# Altium PCB PCB 2 layer 10 x 10.PcbDoc (part 2 of 3)
Units mil, origin at the board's own origin, x right, y up, seen from the top; angles counter-clockwise.
Board outline 3937.01 x 3937.01 mil, 2 copper layers (Top Layer, Bottom Layer); 219 components, 191 nets, 758 pads, 513 vias.
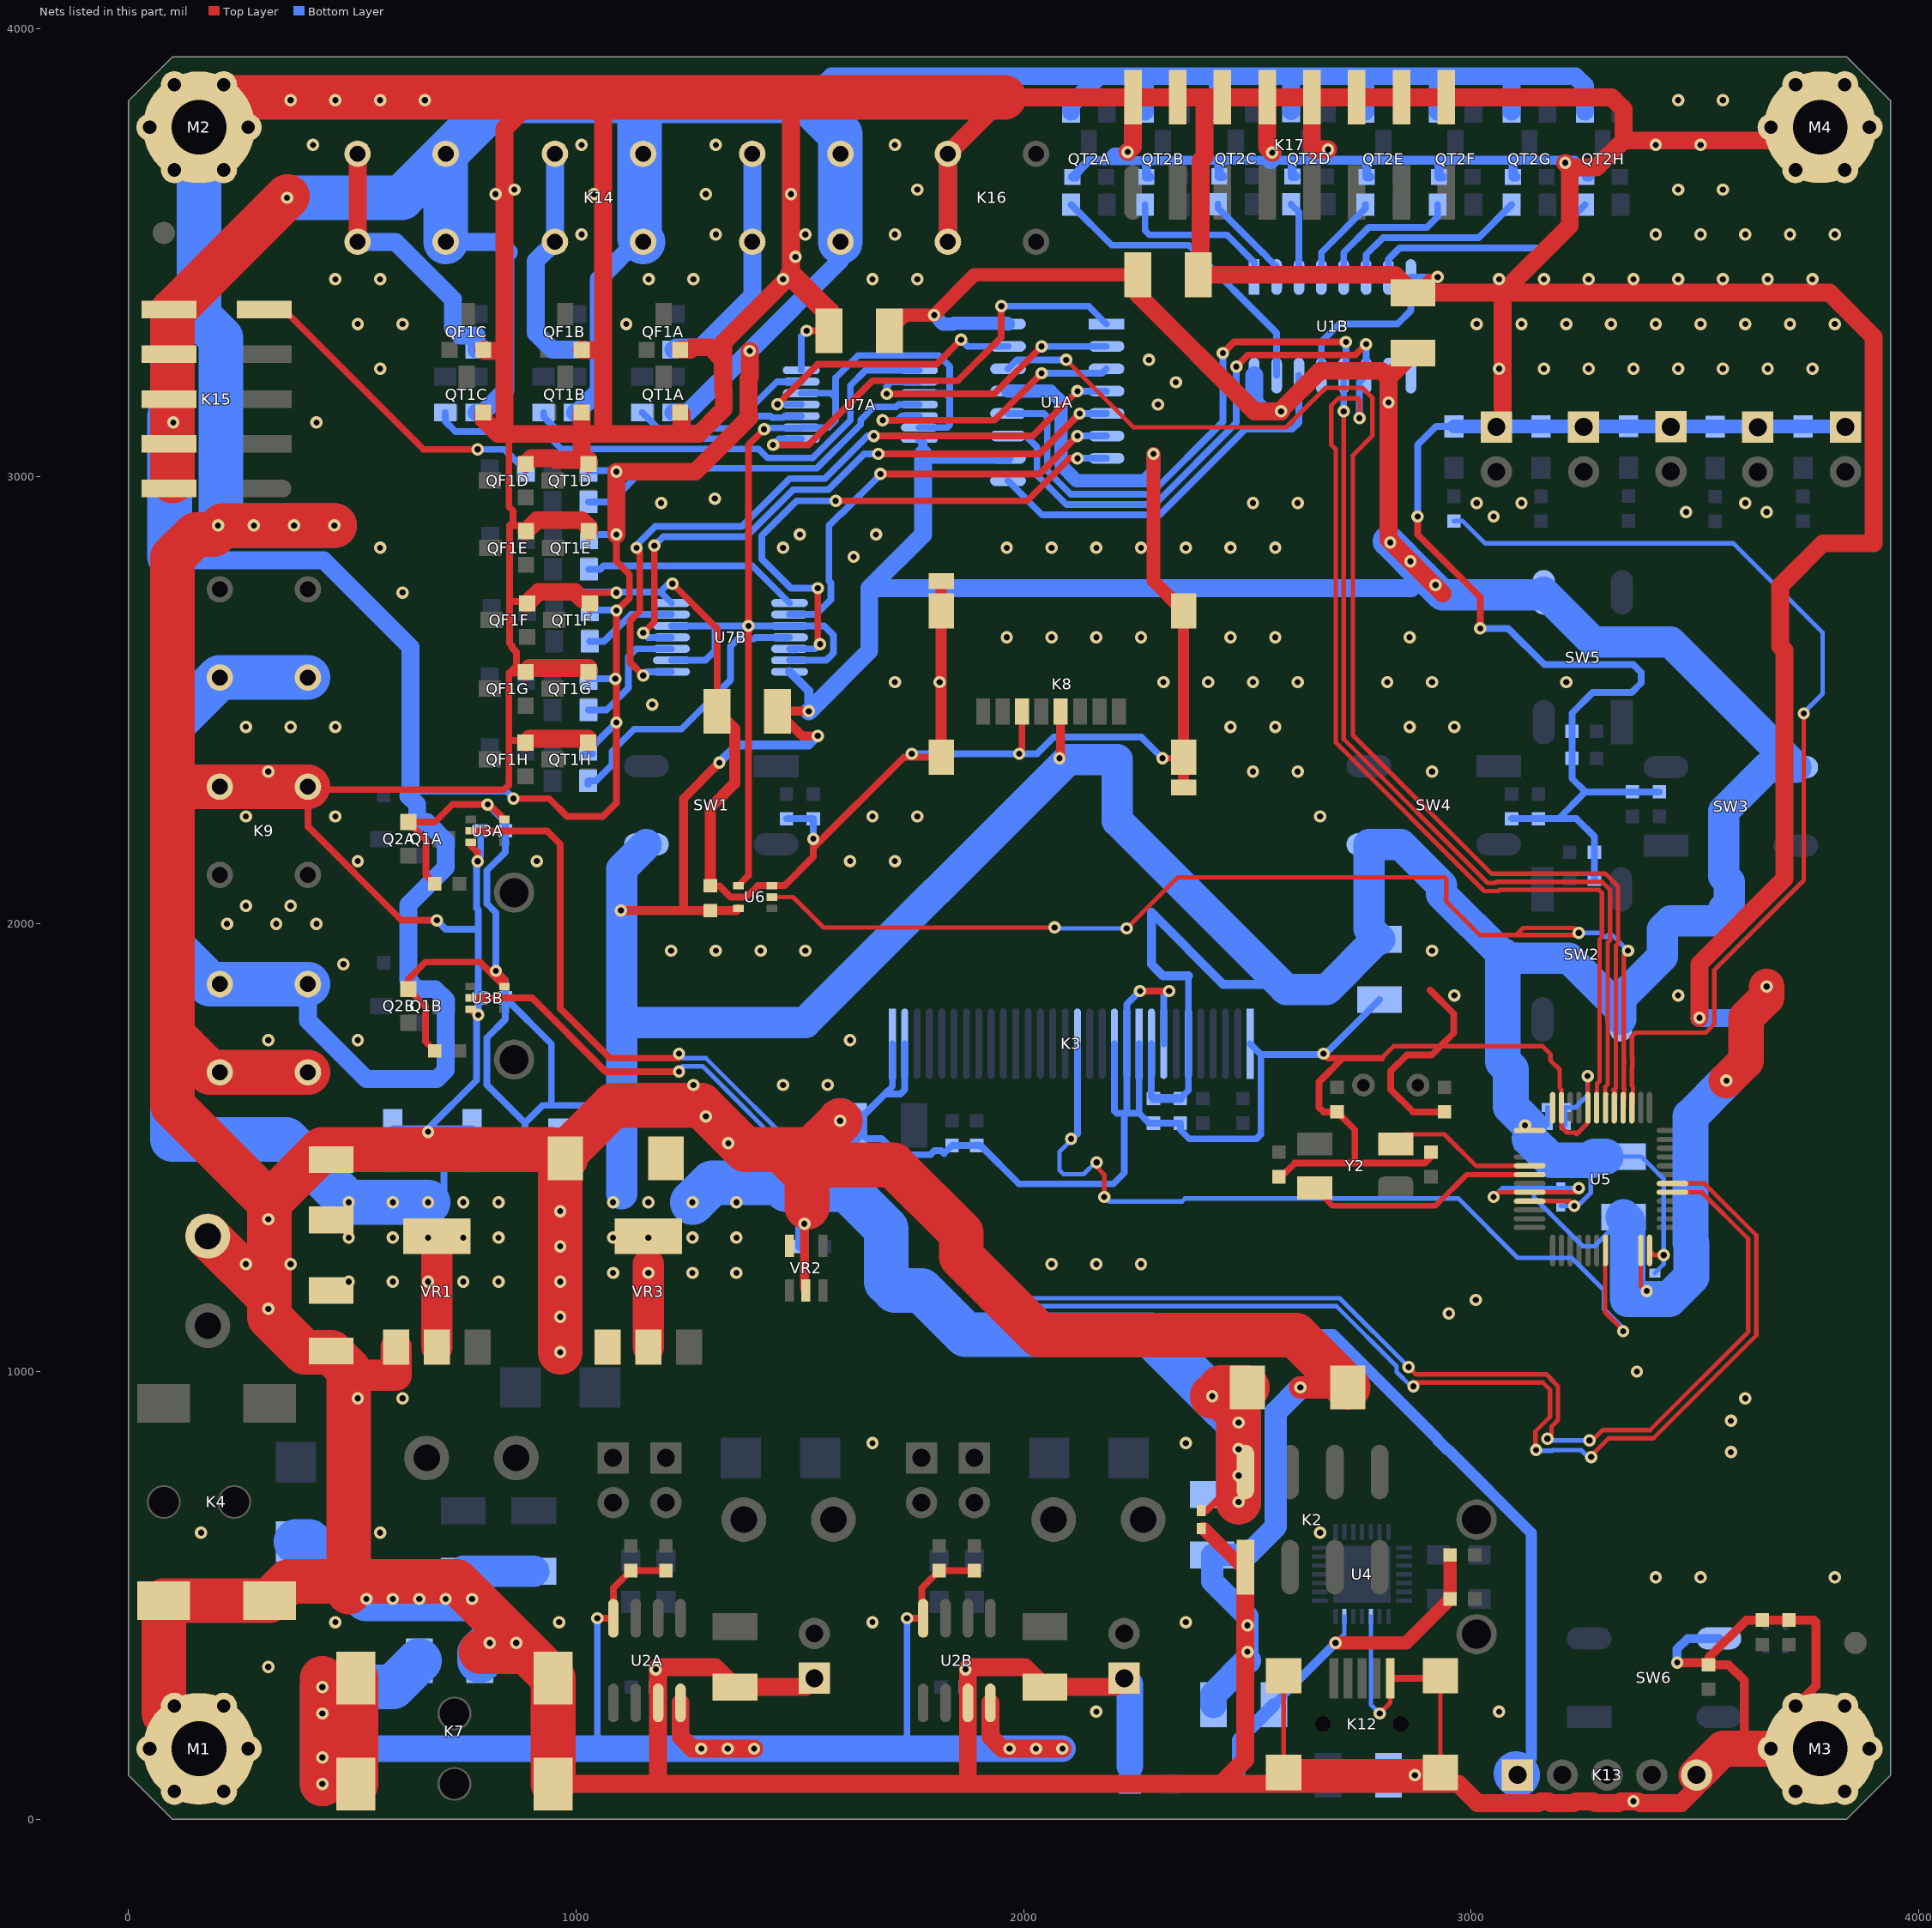
[diagram p2: the nets of this part, all layers, seen from the top]

## Part data
C1 C2: library part 0603C-6N850V-X7R-MUR, "CAPACITOR 0603 CERAMIC"
C3 C4: library part 0603C-22PF-50V-C0G-PAN, "CAPACITOR 0603 CERAMIC"
C5A C5B C7 C9 C15 C16 C17 C18 C19 C22 C23 C24A C24B C26 C27 C38 C40A C40B: library part Passives_Capacitors_1210_1210C-TBD, "CAPACITOR 1210 CERAMIC VALUE TO BE DETERMINED"
C6 C34 C35 C36 C37: library part 0402C-TBD, "CAPACITOR 0402 CERAMIC"
C8 C21: library part "2412C-TANTAL SIZE C-33u25V"
C10 C11 C12 C13: library part 0603C-1UF-35V-X5R-TAY, "CAPACITOR 0603 CERAMIC"
C14: library part 0603C-2N2-50V-C0G-MUR, "CAPACITOR 0603 CERAMIC"
C20: library part 0603C-10UF-10V-X5R-TDK, "CAPACITOR 0603 CERAMIC"
C25A C25B C28 C29 C30 C31 C32 C39: library part 0603C-4N7, "CAPACITOR 0603 CERAMIC"
C33: library part 0603C-TBD, "CAPACITOR 0603 CERAMIC VALUE TO BE DETERMINED"
D1: "Bicolor 0603 LED"
D2A D2B D2C D2D D2E D2F D2G D2H D2I D7 D8 D9 D10A D10B: library part 0805_LED
D3 D4 D5 D6: "Default Diode"
ESD1: "ESD LOGO"
FD1 FD2: "ROUND FIDUCIAL"
K2: "nRF24L01+"
K3: "SSD1306 OLED 128x64"
K4 K7: "5.5mm SMD"
K6: library part "Connector_Terminal_THT_PRKR2 - Detachable"
K12: "MINI USB B FEMALE"
K13: "SWD PINHEADER 1X5"
K15: "SMD Header 5x2"
K17: "SMD Header 8x2"
M1 M2 M3 M4: library part MOUNTING, "MOUNTING HOLE - NON INSTALLABLE"
Q1A Q1B Q2A Q2B QF1A QF1B QF1C QF1D QF1E QF1F QF1G QF1H: library part BSS138-SOT23, "N CHANNEL MOSFET BSS138 SOT23"
QT1A QT1B QT1C QT1D QT1E QT1F QT1G QT1H QT2A QT2B QT2C QT2D QT2E QT2F QT2G QT2H: library part BC847, "BC847 SMALL SIGNAL NPN TRANSISTOR"
R1 R2 R6A R6B R7A R7B: library part 0603R-1K, "GENERIC RESISTOR 0603"
R3A R3B R3C R3D R3E R3F R3G R3H R3I R8 R9 R10 R21A R21B: "GENERIC RESISTOR 0603"
R4: library part 0603R-330K, "GENERIC RESISTOR 0603"
R5A R5B: library part 0603R-1K2, "GENERIC RESISTOR 0603"
R11 R12 R13 R14 R15: library part 0603R-10K, "GENERIC RESISTOR 0603"
R16A R16B R16C R16D R16E R16F R16G R16H R19A R19B R19C R19D R19E R19F R19G R19H: library part 0805R-330, "RESISTOR 0805 1/4 WATT THIN FILM"
R17A R17B R17C R17D R17E R17F R17G R17H R18A R18B R18C R18D R18E R18F R18G R18H: library part 0805R-220, "RESISTOR 0805 1/4 WATT THIN FILM"
R20A R20B R20C R20D R20E R20F R20G R20H: library part 0805R-1K, "RESISTOR 0805 1/4 WATT THIN FILM"
SW1 SW2 SW3 SW4 SW5 SW6: "PUSHBUTTON SWITCH 6MM SMD"
TP1A TP1B TP2 TP3: "TESTPOINT SCOPE GRABBER"
U1A U1B: "8-BIT SFT REG WIRTH OUTPUT LCH"
U3A U3B U6: "Single buffer"
U7A U7B: "QUAD 2-IN POS NAND SCH"
VR1: library part LD1117-SOT223
VR2: "Low Noise Low Drop Voltage Regulator  with Inhibit"
Y1: "Crystal Oscillator"
Y2: library part "6035 Quartz"

## Via types
v1: diameter 27.56, hole 13.78, Top Layer to Bottom Layer, 513 vias

## Nets (pads, with @x,y where several pads share a name; then routed paths per layer and width w, separated by ;. In a path a pad name is that pad's centre, name@x,y a point inside that pad or via, vN(x,y) a via of type N, cw(c..) or ccw(c..) an arc to the next point about the centre after c; other vN are vias at no path point)
3V3: C5A.1 C5B.1 C6.2 C7.2 C8.1 C9.2 C12.2 C13.2 C21.1 C23.1 C25A.1 C25B.1 C34.1 C35.1 C36.1 C37.1 C38.1 C39.1 C40A.1 C40B.1 K2.2 K3.6 K3.9 K8.4 K13.1 Q1A.G Q1B.G R6A.1 R6B.1 R21A.2 SW1.2 SW2.2 SW3.2 SW4.2 SW5.2 U1A.10 U1A.16 U1B.10 U1B.16 U3A.5 U3B.5 U5.1 U5.9 U5.24 U5.48 U6.5 U7A.14 U7B.14 VR2.5 VR3.2 VR3.4 | length 20739.2
  Top Layer w10: U5.9@3130.55,1380.79 3219.21,1380.79 v1(3230,1370) ; U5.24@3398.27,1270.55 3408.82,1260 v1(3430,1260)
  Top Layer w15: R6B.1@684.24,1716.47 663.3,1737.41 663.3,1816.15 Q1B.G@625.19,1854.26 625.19,1876.58 663.3,1914.69 785.24,1914.69 U3B.5@839.76,1860.17 839.76,1876.03 v1(820.78,1895) ; R6A.1@684.24,2089.56 664.56,2109.24 664.56,2187.98 Q1A.G@625.19,2227.35 684.24,2227.35 723.61,2266.72 v1(802.35,2266.72) 806.29,2266.72 U3A.5@839.76,2233.26 ; C6.2@2401.57,689.61 2409.29,689.61 2480.31,760.63 K2.2@2495.28,775.59
  Top Layer w20: v1(1100,2030) 1240,2030 ; v1(1320,2360) 1240,2280 1240,2030 ; U6.5@1362.6,2034.41 1358.19,2030 C39.1@1300,2030 1240,2030 ; v1(1520,2475) C40B.1@1450,2475 1505,2420 v1(1540,2420) ; v1@2082.68,2372.68 K8.4@2082.68,2474.41
  Top Layer w25: v1(2080,2370) v1@2082.68,2372.68
  Top Layer w30: C40A.1@1700,3325 1735,3360 v1(1800,3360) 1890,3450 C5A.1@2255,3450
  Top Layer w40: C5A.1@2255,3450 2255,3405.91 2515.91,3145 v1(2575,3145) 2575,3148.12 2662.1,3235.22 2799.78,3235.22 2815,3220 ; C5B.1@2870,3275 2815,3220 ; 2936,2738 2815,2859 v1(2815,3165) 2815,3220
  Top Layer w70: VR3.2@1161.42,1054.42 v1(1161.42,1220.47) 1161.42,1240.16
  Top Layer w100: v1(2421.26,944.88) 2440.94,944.88 2480.31,905.51 v1(2480.31,885.83) v1(2480.31,826.77) v1(2480.31,767.72) 2480.31,760.63 v1(2480.31,708.66) ; 2440.94,964.57 C8.1@2500,964.57
  Bottom Layer w10: v1(3120,1550) C34.1@3170,1550 C35.1@3170,1590 ; C36.1@3200,1370 v1(3230,1370) 3237.87,1370 3266.78,1398.91 3266.78,1446.78 3300,1480 C38.1@3340,1480 3380,1480 3430,1430 v1(3430,1260) 3430,1240 C37.1@3410,1220
  Bottom Layer w15: v1(802.35,2266.72) 841.72,2227.35 C25A.1@841.72,2207.67 841.72,2160.32 800.91,2119.5 800.91,2044.81 820.78,2024.94 v1(820.78,1895) 841.72,1874.06 C25B.1@841.72,1834.58 ; R21A.2@881.77,1476.38 885.83,1480.43 885.83,1555.12 ; C23.1@1102.36,1515.75 1023.62,1594.49 944.88,1594.49 ; K3.9@2285.43,1732.28 2285.43,1614.57 C13.2@2290,1610 ; 2285.43,1909.45 2289.28,1905.6 ; C12.2@2350,1610 2368.11,1628.11 K3.6@2368.11,1732.28 2368.11,1883.86 ; C25B.1@841.72,1834.58 841.72,1786.61 800.91,1745.79 800.91,1640.04 885.83,1555.12 ; C25B.1@841.72,1834.58 944.88,1731.42 944.88,1594.49 ; 885.83,1555.12 925.2,1594.49 944.88,1594.49
  Bottom Layer w20: v1(1320,2360) 1360,2400 1520,2400 v1(1540,2420) ; U7B.14@1476.89,2563.23 1520,2520.12 v1(1520,2475) ; U7A.14@1766.89,3083.23 1775,3075.12 1775,3050 ; 2285.43,1909.45 2285.43,2025.59 2446.02,1865 2574.7,1865 ; 2289.28,1905.6 2311.02,1883.86 2368.11,1883.86 ; C13.2@2290,1610 C12.2@2350,1610
  Bottom Layer w25: 1785,3040 U1A.10@1965,3040 ; 2283.46,1082.68 2691.06,1082.68 2925.72,848.01 2925.72,845.8 2945.8,825.72 2948.01,825.72 3134.28,639.45 3134.28,136.37 K13.1@3100,102.09
  Bottom Layer w30: v1(1800,3360) 1820,3340 1842.99,3340 1844.77,3341.78 1963.22,3341.78 U1A.16@1965,3340
  Bottom Layer w40: v1(1520,2475) 1655,2610 1655,2750 ; 1775,3050 1775,2870 1655,2750 ; U1B.16@2515,3225 2515,3165 2535,3145 v1(2575,3145) ; v1@2815,2855 v1(2815,3165) U1B.10@2815,3225 ; 2893,2777 2866,2750 1655,2750
  Bottom Layer w70: 1102.36,1397.64 C23.1@1102.36,1515.75 1102.36,1780 ; SW1.2@1157.01,2177.52 1102.36,2122.87 1102.36,1780 ; v1@2815,2855 2893,2777 2935,2735 SW5.2@3160,2735 ; SW5.2@3161.77,2740.63 3272.62,2629.78 3445.14,2629.78 SW3.2@3724.88,2350.04 3661.87,2350.04 3564.28,2252.45 3564.28,2106.01 3576.78,2093.52 3576.78,2046.48 3564.28,2033.99 3564.28,2016.92 3554.14,2006.78 3446.48,2006.78 3426.78,1987.08 3426.78,1927.08 3334.29,1834.59 SW2.2@3334.29,1786.93 3334.29,1807.13 3218.2,1923.22 3076.48,1923.22 3070.57,1929.13 2933.22,2066.48 2933.22,2086.46 2842.17,2177.52 SW4.2@2771.18,2177.52 2771.18,1989.8 C9.2@2795.28,1965.71 2789.46,1965.71 2676.98,1853.22 2586.48,1853.22 2574.7,1865 2209.22,2230.48 2209.22,2366.78 2098.83,2366.78 1512.05,1780 1102.36,1780
  Bottom Layer w80: 3070.57,1929.13 3070.57,1692.26 3088.22,1674.6 3088.22,1591.78 v1@3130,1550 ; 3130,1520 3178.22,1471.78 3214.41,1471.78 3265.59,1471.78 3266.23,1471.14 3275.09,1480 C38.1@3300,1480
  Bottom Layer w100: v1(1259.84,1377.95) 1303.47,1421.58 1453.87,1421.58 1469.45,1406 1605.81,1406 1693,1318.81 1693,1245.62 1692.91,1245.53 1692.91,1200.79 1712.6,1181.1 1771.65,1181.1 1870.08,1082.68 2283.46,1082.68 v1(2421.26,944.88) v1(2480.31,885.83) v1(2480.31,826.77) v1(2480.31,767.72) v1(2480.31,708.66) ; K13.1@3100,102.09 K13.1@3103.31,98.78
  other v1: 1082.68,1220.47 1259.84,1220.47 1358.27,1220.47 1082.68,1299.21 1161.42,1299.21 1259.84,1299.21 1358.27,1299.21 1082.68,1377.95 1161.42,1377.95 1358.27,1377.95 2920,2757 2864,2810 2819,2852
3V3_2: C27.1 R8.1 R9.1 R10.1 U4.6 | length 867
  Top Layer w30: v1(2696.85,393.7) 2854.33,393.7 R9.1@2952.76,492.13 R8.1@2952.76,590.55
  Bottom Layer w10: v1(2696.85,393.7) 2716.54,413.39 U4.6@2716.54,452.76
  Bottom Layer w20: C27.1@2559.06,255.91 v1(2696.85,393.7)
  Bottom Layer w30: R10.1@2480.31,78.74 2480.31,177.17 C27.1@2559.06,255.91
5V0: C16.1 C17.1 K9.2 K9.5 K14.2 K14.4 K14.6 K15.2 K15.4 K15.6 K15.8 K15.10 Q2A.G Q2B.G R7A.1 R7B.1 R17A.1 R17B.1 R17C.1 R17D.1 R17E.1 R17F.1 R17G.1 R17H.1 R19A.1 R19B.1 R19C.1 R19D.1 R19E.1 R19F.1 R19G.1 R19H.1 R21B.2 VR1.2 VR1.4 | length 14336.6
  Top Layer w15: v1(860,2280) 940,2280 980,2240 1060,2240 1090,2270 v1(1090,2450) v1(1090,2700) 1091.41,2700 1119.28,2727.87 1119.28,2780.72 1090,2810 v1(1090,2870)
  Top Layer w40: v1(1090,2870) v1(1090,3010) 1265.91,3010 1387.38,3131.46 ; 1387.38,3131.46 1385.22,3133.62 1385.22,3218.72 1387.88,3221.38 v1(1387.88,3280)
  Top Layer w70: VR1.2@688.98,1054.42 VR1.4@688.98,1302.42
  Top Layer w100: K15.2@98.43,2990 98.43,3368.43 v1@355,3625
  Bottom Layer w15: R7A.1@629.92,2291.14 634.78,2296 844,2296 v1(860,2280) ; 704.61,1382.01 R21B.2@704.61,1476.38 ; R17G.1@1027.5,2547.5 v1(1087.5,2547.5) ; R17D.1@1027.5,3012.5 1087.5,3012.5 v1(1090,3010) ; R17F.1@1030.83,2701.02 1088.98,2701.02 v1(1090,2700) ; R17E.1@1036.1,2870 v1(1090,2870) ; R17H.1@1036.81,2380 1020,2380 v1(1090,2450)
  Bottom Layer w40: 98.43,2814.96 101.39,2812 436.03,2812 629.92,2618.11 R7A.1@629.92,2291.14 ; K9.2@400.83,1865.39 400.83,1784.21 531.5,1653.54 688.98,1653.54 708.66,1673.23 708.66,1830.71 685.11,1854.26 Q2B.G@644.87,1854.26 625.19,1873.95 R7B.1@625.19,1913.32 625.19,2042.51 708.66,2125.98 708.66,2185.04 666.35,2227.35 Q2A.G@644.87,2227.35 644.87,2266.72 R7A.1@625.19,2286.41 ; K14.2@708.66,3523.62 826.38,3523.62 850,3500 842,3492 842,3192 792.5,3142.5 R17C.1@777.5,3142.5 ; R17B.1@997.5,3142.5 1002.5,3142.5 1050.5,3190.5 1050.5,3440.26 K14.4@1141.73,3531.5 ; R17A.1@1217.5,3142.5 1250.38,3142.5 v1(1387.88,3280) 1590.55,3482.67 K14.6@1590.55,3523.62 ; 1515.75,3838.58 1570.87,3893.7 2169.29,3893.7 ; R19A.1@2105.85,3814.56 2105.85,3830.26 2169.29,3893.7 ; R19B.1@2271.2,3814.56 2271.2,3893.25 ; R19C.1@2433.99,3815.82 2433.99,3890.68 ; R19D.1@2597.34,3815.48 2597.34,3892.62 ; R19E.1@2763.33,3814.56 2763.33,3893.25 ; R19F.1@2924.74,3814.56 2924.74,3890.22 ; R19G.1@3090.1,3814.56 3090.1,3890.22 3086.61,3893.7 ; R19H.1@3253.89,3814.49 3253.89,3872.1 3232.28,3893.7 3086.61,3893.7 ; 2169.29,3893.7 3086.61,3893.7
  Bottom Layer w100: 92,3133.57 92,2821.39 98.43,2814.96 98.43,2444.88 ; v1(354.33,3622.05) 610.24,3622.05 K14.2@708.66,3720.47 ; K9.2@400.83,1865.39 K9.2@203.98,1865.39 181.85,1865.39 98.43,1948.82 ; K9.5@400.83,2550.43 K9.5@203.98,2550.43 98.43,2444.88 ; v1(669.29,1377.95) v1(590.55,1377.95) v1(492.13,1377.95) 351.72,1518.36 98.43,1518.36 98.43,1948.82 ; K14.2@708.66,3523.62 K14.2@708.66,3720.47 ; K14.4@1149.61,3523.62 1141.73,3531.5 1141.73,3838.58 ; K14.6@1590.55,3523.62 K14.6@1590.55,3720.47 1590.55,3763.78 1515.75,3838.58 1141.73,3838.58 ; 98.43,1948.82 98.43,2444.88 ; K14.2@708.66,3720.47 826.77,3838.58 1141.73,3838.58
  other v1: 492.13,1200.79 590.55,1200.79 669.29,1200.79 748.03,1200.79 826.77,1200.79 492.13,1299.21 590.55,1299.21 669.29,1299.21 748.03,1299.21 826.77,1299.21 748.03,1377.95 826.77,1377.95 100,3120
AE: C22.1 K7.VCC R3E.2 R3F.2 R3G.2 R3H.2 U2A.4 U2A.8 U2B.4 U2B.8 | length 4112.3
  Top Layer w15: v1(1047.24,448.82) U2A.8@1083.27,448.82 1083.27,516.46 R3E.2@1122.05,555.24 R3F.2@1200.79,555.24 ; v1(1739.37,448.82) U2B.8@1775.39,448.82 ; U2B.8@1772.24,448.82 1772.24,516.46 R3G.2@1811.02,555.24 R3H.2@1889.76,555.24
  Top Layer w40: U2A.4@1233.27,259.84 1233.27,184.06 1259.84,157.48 v1(1279.53,157.48) v1(1338.58,157.48) v1(1397.64,157.48) ; U2B.4@1925.39,259.84 1925.39,184.06 1951.97,157.48 v1(2086.61,157.48)
  Top Layer w100: v1(433.07,78.74) v1(433.07,137.8) v1(433.07,236.22) v1(433.07,295.28) 433.07,314.96 ; K7.VCC@507.87,78.74 K7.VCC@507.87,314.96
  Bottom Layer w15: 1047.24,161.42 v1(1047.24,448.82) ; 1739.37,161.42 v1(1739.37,448.82)
  Bottom Layer w60: 452.76,157.48 v1(1279.53,157.48) v1(1338.58,157.48) v1(2086.61,157.48)
  Bottom Layer w100: v1(433.07,78.74) v1(433.07,137.8) v1(433.07,236.22) v1(433.07,295.28) 590.55,295.28 C22.1@649.61,354.33
  other v1: 1968.5,157.48 2027.56,157.48
AOUTA: R18B.1 U7A.3 | length 629.6
  Bottom Layer w15: R18B.1@927.5,3142.5 927.5,3132.5 937,3123 937.53,3123 976.53,3084 1354.53,3084 1404.94,3134.41 1434.18,3134.41 1437.87,3130.72 1460.91,3130.72 1461.37,3131.18 1462.58,3131.18 1465.82,3134.41 U7A.3@1503.11,3134.41
AOUTB: R18G.1 U7B.3 | length 283.3
  Bottom Layer w15: R18G.1@1027.5,2477.5 1067.5,2477.5 1117,2527 1117,2597 1134.41,2614.41 U7B.3@1213.11,2614.41
BOUTA: R18A.1 U7A.6 | length 413.5
  Bottom Layer w15: R18A.1@1147.5,3142.5 1183,3107 1345,3107 1449.18,3211.18 U7A.6@1503.11,3211.18
BOUTB: R18F.1 U7B.6 | length 207.2
  Bottom Layer w15: R18F.1@1030.83,2631.02 1062.43,2631.02 1122.59,2691.18 U7B.6@1213.11,2691.18
CH1_IN: U3A.2 U5.29 | length 4266.8
  Top Layer w10: v1(2860,1010) 2876.44,993.56 3168.55,993.56 3177.06,985.04 3177.06,983.63 3193.89,966.81 3193.89,898.13 3193.78,898.02 3193.78,891.45 3179.22,876.89 3179.22,859.22 v1(3170,850) ; v1(3264,846) 3270.54,846 3293.54,869 3399.34,869 3618.78,1088.44 3618.78,1296.68 3514.98,1400.47 U5.29@3449.45,1400.47
  Top Layer w15: U3A.2@759.95,2207.67 U3A.2@764.95,2207.67 935.15,2207.67 964.57,2178.25 964.57,1811.02 1075.59,1700 v1@1230,1700
  Bottom Layer w10: v1(1230,1710) 1230,1708.78 1238.78,1700 1290,1700 1503,1487 1649,1487 1972,1164 2706,1164 v1(2860,1010) ; v1(3170,850) 3174,846 v1(3264,846)
CH2_IN: U3B.2 U5.30 | length 4027.8
  Top Layer w10: v1(2870.78,966.78) 2868.78,966.78 2877.56,975.56 3159.68,975.56 3175.89,959.35 3175.89,905.58 3175.78,905.47 3175.78,898.91 3143.22,866.35 3143.22,826.49 v1(3144.86,824.86) ; v1(3268,809) 3266.87,809 3265.87,810 3306.87,851 3406.8,851 3636.78,1080.98 3636.78,1304.13 3520.75,1420.16 U5.30@3449.45,1420.16
  Top Layer w15: U3B.2@764.95,1834.58 901.64,1834.58 1066.22,1670 v1(1230,1670)
  Bottom Layer w10: v1(1230,1670) 1230,1673.22 1238.78,1682 1282.54,1682 1495.54,1469 1641.54,1469 1964.54,1146 2698.54,1146 2833.22,1011.32 2833.22,998.91 2865.35,966.78 v1(2870.78,966.78) ; v1(3144.86,824.86) 3146.49,823.22 3181.09,823.22 3182.65,824.78 3245.22,824.78 3261,809 v1(3268,809)
COUTA: R18C.1 U7A.8 | length 1239.8
  Bottom Layer w15: R18C.1@707.5,3142.5 707.5,3122.7 730.2,3100 928,3100 967,3061 1407.59,3061 1427.87,3040.72 1528.25,3040.72 1612.72,3125.19 1612.72,3202.72 1646.77,3236.77 U7A.8@1766.89,3236.77
COUTB: R18E.1 U7B.8 | length 486.2
  Bottom Layer w15: R18E.1@1028.37,2792.26 1053.67,2792.26 1061.41,2800 1393.66,2800 U7B.8@1476.89,2716.77
CRY_IN: U5.6 Y2.2 | length 525.7
  Top Layer w12: Y2.2@2650,1410 2689.59,1370.41 2920.41,1370.41 2989.84,1439.84 U5.6@3130.55,1439.84
CRY_OUT: U5.5 Y2.4 | length 337.6
  Top Layer w10: Y2.4@2831.1,1508.43 2852.68,1530 2940,1530 3010.47,1459.53 U5.5@3130.55,1459.53
DATA: U1A.14 U5.41 | length 2936.6
  Top Layer w10: v1(2095,3260) 2245.5,3109.5 2586.17,3109.5 2673.95,3197.28 2756.94,3197.28 2779,3175.22 2779,3090 2735,3046 2735.5,3046 2735.5,2421.5 3045,2112 3299.91,2112 3328,2083.91 3328,1955.87 3322.78,1950.65 3322.78,1634 3317.77,1628.99 3322.31,1624.46 3322.31,1613.52 3319.53,1610.74 U5.41@3319.53,1589.45
  Bottom Layer w15: U1A.14@1965,3240 1985,3260 v1(2095,3260)
DC: K3.15 U5.19 | length 2000
  Top Layer w10: v1@2163,1470 2163,1457 2180,1440 v1(2180,1390) ; U5.19@3299.84,1270.55 3299.22,1269.93 3299.22,1132.31 3339.22,1092.31 v1(3339.22,1090)
  Bottom Layer w10: 2119,1530 2080,1491 2080,1450 2089.15,1440.85 2133.85,1440.85 v1@2163,1470 ; v1(2180,1390) 2190,1380 2353.52,1380 2360.3,1386.78 2971.02,1386.78 3103.8,1254 3224.31,1254 3296.5,1181.81 3296.5,1140.05 3339.22,1097.33 v1(3339.22,1090)
  Bottom Layer w15: 2119,1530 2120.08,1531.08 K3.15@2120.08,1732.28
  other v1: 2163,1467 2106,1520
DIN0: R20A.1 U1B.15 | length 672.8
  Bottom Layer w15: R20A.1@2105.85,3606.56 2196.4,3516 2369,3516 2565,3320 U1B.15@2565,3225
DIN1: R20B.1 U1B.1 | length 363.9
  Bottom Layer w15: R20B.1@2271.2,3606.56 2271.2,3548.8 2281,3539 2454,3539 2515,3478 U1B.1@2515,3445
DIN2: R20C.1 U1B.2 | length 217.6
  Bottom Layer w15: R20C.1@2433.99,3607.82 2433.99,3599.01 2532.5,3500.5 2533.42,3500.5 2542.5,3491.42 2542.5,3490.5 2565,3468 U1B.2@2565,3445
DIN3: R20D.1 U1B.3 | length 169.8
  Bottom Layer w15: R20D.1@2597.34,3607.48 2615,3589.83 U1B.3@2615,3445
DIN4: R20E.1 U1B.4 | length 202.3
  Bottom Layer w15: U1B.4@2665,3445 2665,3500 2763.33,3598.33 R20E.1@2763.33,3606.56
DIN5: R20F.1 U1B.5 | length 324.6
  Bottom Layer w15: U1B.5@2715,3445 2715,3500 2771,3556 2901,3556 2924.74,3579.74 R20F.1@2924.74,3606.56
DIN6: R20G.1 U1B.6 | length 421.3
  Bottom Layer w15: U1B.6@2765,3445 2765,3495 2803,3533 3016.54,3533 R20G.1@3090.1,3606.56
DIN7: R20H.1 U1B.7 | length 529.2
  Bottom Layer w15: U1B.7@2815,3445 2815,3485 2840,3510 3157.39,3510 R20H.1@3253.89,3606.49
DOUTA: R18D.1 U7A.11 | length 835.4
  Bottom Layer w15: R18D.1@1027.5,2942.5 1077.5,2942.5 1152.72,3017.72 1537.77,3017.72 1635.72,3115.67 1635.72,3125.72 1664.72,3154.72 1715.13,3154.72 1720.41,3160 U7A.11@1766.89,3160
DOUTB: R18H.1 U7B.11 | length 654.8
  Bottom Layer w15: R18H.1@1027.05,2312.02 R18H.1@1027.05,2319.76 1044.76,2319.76 1080,2355 1080,2385 1130,2435 1235,2435 1345,2545 1345,2620 1365,2640 1369.18,2640 1372.87,2636.31 1397.13,2636.31 1400.82,2640 U7B.11@1476.89,2640
GND: C1.1 C2.1 C3.1 C4.2 C5A.2 C5B.2 C6.1 C7.1 C8.2 C9.1 C12.1 C13.1 C14.2 C15.1 C16.2 C17.2 C18.2 C19.2 C20.2 C21.2 C22.2 C23.2 C24A.1 C24B.1 C25A.2 C25B.2 C26.2 C27.2 C28.2 C29.2 C30.2 C31.2 C32.2 C33.2 C34.2 C35.2 C36.2 C37.2 C38.2 C39.2 C40A.2 C40B.2 D2A.K D2B.K D2C.K D2D.K D2I.K D3.1 D9.K D10A.K D10B.K K1A.1 K1B.1 K1C.1 K1D.1 K1I.1 K2.1 K3.1 K3.8 K3.10 K3.11 K3.12 K3.29 K3.30 K4.GND K6.2 K7.GND K8.6 K9.1 K9.4 K10A.1 K10B.1 K12.5 K12.M1 K12.M2 K12.M3 K12.M4 K13.5 K16.1 K17.2 K17.4 K17.6 K17.8 K17.10 K17.12 K17.14 K17.16 M1.1 M1.2 M1.3 M1.4 M1.5 M1.6 M1.7 M2.1 M2.2 M2.3 M2.4 M2.5 M2.6 M2.7 M3.1 M3.2 M3.3 M3.4 M3.5 M3.6 M3.7 M4.1 M4.2 M4.3 M4.4 M4.5 M4.6 M4.7 QF1A.S QF1B.S QF1C.S QF1D.S QF1E.S QF1F.S QF1G.S QF1H.S QT1A.E QT1B.E QT1C.E QT1D.E QT1E.E QT1F.E QT1G.E QT1H.E QT2A.E QT2B.E QT2C.E QT2D.E QT2E.E QT2F.E QT2G.E QT2H.E R1.2 R2.2 R4.1 R5A.1 R5B.1 R11.2 R12.2 R13.2 R14.2 R15.2 SW6.2 U1A.8 U1A.13 U1B.8 U1B.13 U2A.3 U2B.3 U3A.3 U3B.3 U4.3 U5.8 U5.23 U5.44 U5.47 U6.3 U7A.7 U7B.7 VR1.1 VR2.2 VR3.1 | length 53225.9
  Top Layer w10: K12.M1@2580.71,104.33 K12.M2@2580.71,320.87 ; v1(2795.28,236.22) 2818.9,259.84 K12.5@2818.9,314.96 ; 2800,1700 2826.78,1726.78 2931.19,1726.78 3159.05,1726.78 3176.78,1709.05 3176.78,1695.06 3197.22,1674.62 3197.22,1634 3201.42,1629.8 U5.47@3201.42,1589.45 3201.42,1545.7 3213.56,1533.56 3240,1533.56 ; K12.M3@2931.1,104.33 K12.M4@2931.1,320.87 ; v1(3050,1390) 3060.47,1400.47 U5.8@3130.55,1400.47 3230.47,1400.47 v1(3240,1410) ; 3234.77,1530 3257.69,1552.92 3257.69,1555.56 3258.91,1556.78 3260.47,1556.78 U5.44@3260.47,1589.45 3260.47,1659.53 v1(3260,1660) ; U5.23@3378.58,1270.55 3378.58,1191.42 3390,1180 v1(3392,1180)
  Top Layer w15: v1(688.98,2007.87) 610.24,2007.87 400.83,2217.28 K9.4@400.83,2306.34 407.21,2299.95 838.55,2299.95 847.87,2309.28 849.28,2309.28 850,2310 850,2410 ; U3B.3@764.95,1808.99 777.36,1796.58 v1(781.41,1796.58) ; U3A.3@764.95,2182.08 764.95,2174.44 780,2159.39 v1(780,2140) ; 840,3109 850,3099 850,3094.5 850,2932.08 859.28,2922.8 859.28,2897.87 851.33,2889.92 ; QF1H.S@881.81,2410 850,2410 ; QF1G.S@885,2560 850,2560 ; QF1E.S@888.37,2877.26 875.71,2889.92 851.33,2889.92 ; QF1F.S@894.8,2720 851.33,2720 ; 990.83,2730.85 990,2731.68 998.32,2740 v1(1090,2740) ; v1(1215,2760) 1315,2660 C40B.2@1315,2475 ; C39.2@1300,2085 1320,2085 1345,2060 1380,2060 1405.59,2085.59 U6.3@1437.4,2085.59 1465.59,2085.59 1530,2150 1530,2170 ; v1(1515,3325) C40A.2@1565,3325 ; v1(1530,2190) 1530,2170 ; v1(1750,2380) v1@1757.95,2372.05 ; K8.6@1815.94,2372.05 v1@1757.95,2372.05 ; v1(1990,2380) 1996.06,2386.06 K8.6@1996.06,2474.41 ; v1(2260,1850) v1(2325,1850) ; v1(2310,2370) 2355.24,2370 K8.6@2357.28,2372.05 ; C4.2@2570,1435 2575,1435 2605.5,1465.5 2740,1465.5 ; v1(2670,1710) 2680,1700 2713.08,1700 ; 2800,1700 2713.08,1700 ; K12.5@2818.9,314.96 K12.M4@2925.2,314.96 ; C5B.2@2870,3410 2905,3445 v1(2925,3445) ; v1(2880,2910) 2880,2870 3020,2730 v1(3020,2660) ; 2908,1852 2961,1799 2961,1756.59 2931.19,1726.78 2911.41,1707 2856,1707 2820,1671 2820,1630 2870,1580 C2.1@2940,1580 ; C3.1@2910,1490 2910,1480 2895.5,1465.5 2740,1465.5 ; 850,2410 850,2560 ; 850,2560 866.75,2576.75 866.75,2607.18 857.33,2616.6 857.33,2620.7 851.33,2626.7 851.33,2720 ; 851.33,2720 851.33,2889.92 ; 1530,2170 1732.05,2372.05 v1@1757.95,2372.05 ; 2713.08,1700 2660,1646.92 2660,1590 2670,1580 C1.1@2700,1580 2740,1540 2740,1465.5
  Top Layer w20: v1(1510,1330) 1510,1184.48 VR2.2@1513.38,1181.1 ; v1@1513.38,1338.58 1513.38,1395.27 ; v1(3460,350) 3525,350 C33.2@3530,345 ; 3610,157.48 3610,310 3575,345 C33.2@3530,345 ; M3.2@3724.53,252.74 3770,298.22 3770,440 3765,445 R1.2@3710,445 R2.2@3650,445 3615,445 3530,360 C33.2@3530,345
  Top Layer w25: C39.2@1300,2085 1300,2260 1354.28,2314.28 1354.28,2435.72 C40B.2@1315,2475 ; K8.6@1815.94,2372.05 K8.6@1815.94,2698.82 K8.6@1815.94,2765.75 ; K8.6@2357.28,2305.12 K8.6@2357.28,2372.05 K8.6@2357.28,2698.82
  Top Layer w30: v1(2290,3050) 2290,2766.1 K8.6@2357.28,2698.82 ; C6.1@2401.57,649.61 2488.19,562.99 K2.1@2495.28,562.99
  Top Layer w40: QT1C.E@792.5,3142.5 792.5,3127.5 825.5,3094.5 ; QF1C.S@792.5,3282.5 795,3280 840,3280 ; QF1H.S@887.05,2404.76 896.05,2413.76 1027.05,2413.76 QT1H.E@1027.05,2404.76 ; QF1G.S@887.5,2562.5 896.78,2571.78 997.31,2571.78 997.59,2571.5 1027.5,2571.5 QT1G.E@1027.5,2562.5 ; QF1D.S@887.5,3027.5 900,3040 950,3040 953.5,3036.5 1027.5,3036.5 QT1D.E@1027.5,3027.5 ; QF1E.S@888.37,2877.26 912.88,2901.78 1012.85,2901.78 1028.37,2886.26 QT1E.E@1028.37,2877.26 ; QF1F.S@890.83,2716.02 894.8,2720 916.58,2741.78 997.31,2741.78 1014.06,2725.02 1030.83,2725.02 QT1F.E@1030.83,2716.02 ; 910,3846.46 840,3776.46 840,3109 825.5,3094.5 ; K7.GND@948.82,78.74 1183.27,78.74 ; QT1D.E@1012.5,3042.5 1012.5,3094.5 ; QT1B.E@1012.5,3142.5 1012.5,3094.5 ; QF1B.S@1012.5,3282.5 1013,3282 1060,3282 ; 1070,3846.46 1060,3836.46 1060,3094.5 ; QT1A.E@1232.5,3142.5 1235.5,3139.5 1235.5,3094.5 ; QF1A.S@1232.5,3282.5 1254.62,3282.5 1260.12,3288 1299.88,3288 1328,3259.88 1328,3220.12 ; 1480,3846.46 1480,3450 1328.5,3298.5 1328.5,3190.12 1330,3188.62 1330,3150 1274.5,3094.5 1235.5,3094.5 ; K10A.1@1532.28,314.96 1512.6,295.28 C24A.1@1355.12,295.28 1310.43,339.96 1183.27,339.96 U2A.3@1183.27,259.84 1183.27,78.74 ; K16.1@1830.71,3523.62 K16.1@1830.71,3720.47 1956.69,3846.46 K17.2@2244.09,3846.46 ; 1875.39,78.74 1875.39,339.96 2002.56,339.96 C24B.1@2047.25,295.28 2204.73,295.28 K10B.1@2224.41,314.96 ; v1(2232.28,3724.41) 2244.09,3736.22 K17.2@2244.09,3846.46 ; K2.1@2495.28,562.99 2495.28,133.07 2440.94,78.74 ; K17.8@2540.16,3846.46 K17.6@2444.09,3846.46 2400,3846.46 ; v1(2555.12,3722.88) 2544.09,3733.91 K17.8@2544.09,3846.46 K17.10@2644.09,3846.46 ; K12.M1@2580.71,104.33 K12.M1@2555.12,78.74 ; v1(2680,3730) 2648,3730 2644.09,3733.91 K17.10@2644.09,3846.46 ; K1B.1@3070,3124 3070,3410 ; v1(3210,3700) 3220,3690 ; K13.5@3503.31,98.78 3503.31,70.64 3468.45,35.78 3377.21,35.78 3372.99,40 3333.62,40 3329.4,35.78 3277.21,35.78 3272.99,40 3233.62,40 3229.4,35.78 3177.21,35.78 3172.99,40 3154.12,40 3149.9,35.78 3014.22,35.78 2971.26,78.74 K12.M1@2555.12,78.74 ; v1(3510,1790) 3510,1910.91 3700,2100.91 3700,2610.91 3690.22,2620.69 3690.22,2754.76 3785.46,2850 3899,2850 3899,3311 3800,3410 3070,3410 ; M4.1@3779.53,3779.53 3750,3750 3340,3750 ; 825.5,3094.5 850,3094.5 1012.5,3094.5 ; 1012.5,3094.5 1060,3094.5 ; 1060,3094.5 1235.5,3094.5 ; 1183.27,78.74 2440.94,78.74 ; K17.2@2244.09,3846.46 K17.4@2344.09,3846.46 2400,3846.46 ; 2400,3846.46 2403.98,3842.47 2403.98,3714.05 2395,3705.07 2395,3455 C5A.2@2390,3450 2830,3450 C5B.2@2870,3410 3070,3410 ; 2440.94,78.74 K12.M1@2555.12,78.74 ; K17.10@2644.09,3846.46 K17.12@2744.09,3846.46 K17.14@2844.09,3846.46 K17.16@2944.09,3846.46 3313.54,3846.46 3340,3820 3340,3750 ; 3070,3410 3220,3560 3220,3690 ; 3220,3690 3280,3690 3340,3750
  Top Layer w50: 1480,3450 1565,3365 C40A.2@1565,3325 ; v1(2618.11,964.57) C8.2@2724.41,964.57
  Top Layer w60: K12.M1@2580.71,104.33 K12.M3@2931.1,104.33
  Top Layer w70: 492.13,1003.94 504.39,991.68 597.98,991.68 VR1.1@597.98,1054.42
  Top Layer w80: K13.5@3503.31,98.78 3562.01,157.48 3610,157.48 M3.7@3669.53,157.48 M3.1@3779.53,157.48 ; v1(3570,1650) 3614,1694 3614,1789.86 3660,1835.86 v1(3660,1860)
  Top Layer w100: M1.1@157.48,157.48 78.74,236.22 K4.GND@78.74,488.19 K4.GND@314.96,488.19 358.27,531.5 492.13,531.5 ; M2.1@157.48,3779.53 224.41,3846.46 910,3846.46 1070,3846.46 1480,3846.46 1956.69,3846.46 ; K6.2@177.17,1302.36 314.96,1164.57 ; K9.1@400.83,1668.54 K9.1@203.98,1668.54 181.85,1668.54 98.43,1751.97 ; K9.4@400.83,2306.34 K9.4@203.98,2306.34 121.3,2306.34 98.43,2283.46 ; v1(460,2890) v1(370,2890) v1(280,2890) 210,2890 190,2870 150,2870 98.43,2818.43 98.43,2283.46 ; 492.13,507.87 492.13,531.5 ; 787.4,374.02 889.76,374.02 ; K7.GND@948.82,78.74 K7.GND@948.82,314.96 889.76,374.02 ; v1(964.57,1043.31) v1(964.57,1122.05) v1(964.57,1200.79) v1(964.57,1279.53) v1(964.57,1358.27) 964.57,1476.38 944.88,1496.06 433.07,1496.06 314.96,1377.95 ; C21.2@976.38,1476.38 976.38,1488.19 1082.68,1594.49 1279.53,1594.49 1377.95,1496.06 1456.69,1496.06 ; 1516.13,1367.17 1516.13,1436.62 1491.38,1461.38 ; v1(1590,1560) 1526.06,1496.06 1456.69,1496.06 ; C8.2@2724.41,964.57 2607.48,1081.5 2035.87,1081.5 1860.64,1256.73 1860.64,1309.36 1708.62,1461.38 1491.38,1461.38 ; 98.43,1751.97 98.43,1594.49 314.96,1377.95 ; 98.43,1751.97 98.43,2283.46 ; 314.96,1164.57 314.96,1122.05 393.7,1043.31 452.76,1043.31 492.13,1003.94 492.13,531.5 ; 314.96,1164.57 314.96,1377.95 ; 492.13,531.5 732.28,531.5 889.76,374.02 ; 1456.69,1496.06 1491.38,1461.38
  Bottom Layer w10: R5A.1@1177.95,295.28 v1(1177.95,334.65) ; R5B.1@1870.08,295.28 v1(1870.08,334.65) ; U4.3@2775.59,452.76 2775.59,255.91 v1(2795.28,236.22) ; v1(3050,1390) 3070,1410 3140,1410 ; C34.2@3210,1550 C35.2@3210,1590 3233,1590 3260,1617 v1(3260,1660) ; v1(3240,1410) C36.2@3200,1410 3140,1410 ; v1(3392,1180) 3390,1180 3370,1200 C37.2@3370,1220 3349.5,1240.5 3340,1250 C38.2@3340,1345 3275,1280 3249.12,1280 3140,1389.12 3140,1410
  Bottom Layer w15: D10B.K@590.55,1542.32 v1@669.29,1542.32 ; v1(688.98,2007.87) 708.66,1988.19 781.41,1988.19 ; D10A.K@767.72,1542.32 v1@669.29,1542.32 ; C25B.2@786.72,1834.58 C25B.2@781.41,1829.26 ; C25A.2@786.72,2207.67 786.72,2152.67 777.91,2143.85 777.91,2035.29 781.41,2031.79 781.41,1988.19 ; 990,2730.33 1001.2,2741.52 ; 990.83,2731.15 1001.2,2741.52 ; v1(1090,2740) 1088.48,2741.52 1001.2,2741.52 ; U7B.7@1213.11,2716.77 1188.36,2741.52 ; v1(1215,2760) 1206.83,2760 1188.36,2741.52 ; R11.2@1470,2235 C28.2@1530,2235 v1(1530,2190) ; U7A.7@1503.11,3236.77 1503.11,3313.11 v1(1515,3325) ; K3.30@1706.69,1732.28 1706.69,1636.69 1690,1620 ; K3.29@1734.25,1732.28 1734.25,1629.75 1724.5,1620 1690,1620 ; v1(1750,2380) v1(1990,2380) 2030,2380 2067.28,2417.28 2262.72,2417.28 v1(2310,2370) ; K3.12@2202.76,1732.28 2202.76,1582.24 2207.87,1577.13 2225,1577.13 ; K3.10@2257.87,1732.28 2257.87,1577.13 ; v1(2260,1850) 2230.31,1820.31 K3.11@2230.31,1732.28 2230.31,1582.44 2225,1577.13 ; K3.8@2312.99,1732.28 2312.99,1837.99 v1(2325,1850) ; K3.1@2505.91,1732.28 2530,1708.19 ; U1B.13@2665,3225 2665,3300 2705,3340 2835,3340 2865,3370 U1B.8@2865,3445 v1(2925,3445) ; C9.1@2795.28,1830.71 2672.76,1708.19 2530,1708.19 ; v1(2880,2910) 2880,3070 2921.26,3111.26 D2B.K@2961,3111.26 ; v1(3020,2660) 3082.53,2660 3163.25,2579.28 3362.13,2579.28 3379.28,2562.13 3379.28,2537.87 3358.41,2517 3271.39,2517 3225,2470.61 R15.2@3225,2430 C32.2@3225,2370 3225,2325 3255,2295 ; R14.2@3090,2235 C31.2@3150,2235 3195,2235 ; R12.2@3275,2100 C29.2@3275,2160 3275,2195 3235,2235 3195,2235 ; R13.2@3420,2295 C30.2@3360,2295 3255,2295 ; v1@669.29,1542.32 777.91,1650.94 777.91,1793.08 v1(781.41,1796.58) C25B.2@781.41,1829.26 ; C25B.2@781.41,1829.26 781.41,1988.19 ; 1001.2,2741.52 1188.36,2741.52 ; 1690,1620 C15.1@1620,1550 1649.5,1520.5 1682.58,1520.5 1718.58,1484.5 1791.42,1484.5 1800.5,1493.58 1815.41,1493.58 1822,1487 C14.2@1840,1505 R4.1@1895,1505 1903.59,1505 1989.3,1419.3 2200.3,1419.3 2225,1444 2225,1577.13 ; 2225,1577.13 2257.87,1577.13 ; 2257.87,1577.13 2280,1555 C13.1@2290,1555 C12.1@2350,1555 2350,1540 2370,1520 2520,1520 2530,1530 2530,1708.19 ; 3195,2235 3255,2295
  Bottom Layer w20: C20.2@1500.12,1279.53 v1@1500.12,1325.32 ; QT2A.E@2116.35,3668.56 QT2A.E@2108.85,3668.56 2144.85,3704.56 2335.66,3704.56 2336.92,3705.82 2537.44,3705.82 2537.77,3705.48 2680,3705.48 ; 2274.2,3703.17 QT2B.E@2274.2,3668.56 QT2B.E@2281.7,3668.56 ; 2436.99,3701.9 QT2C.E@2436.99,3669.82 QT2C.E@2444.49,3669.82 ; 2600.34,3703.57 QT2D.E@2600.34,3669.48 QT2D.E@2607.85,3669.48 ; v1(2680,3730) 2680,3705.48 ; 2766.33,3704.09 QT2E.E@2766.33,3668.56 QT2E.E@2773.83,3668.56 ; 2927.74,3702.94 QT2F.E@2927.74,3668.56 QT2F.E@2935.25,3668.56 ; 3093.1,3704.09 QT2G.E@3093.1,3668.56 QT2G.E@3100.6,3668.56 ; QT2H.E@3264.39,3668.49 QT2H.E@3256.89,3668.49 3256.89,3680.12 3231.52,3705.48 2680,3705.48 ; v1(3460,350) 3460,380 3483.78,403.78 SW6.2@3553.31,403.78
  Bottom Layer w30: U1A.13@1965,3190 2060,3190 2083.22,3166.78 2083.22,3024.77 2117.99,2990 U1A.8@2185,2990 2270,2990 2290,3010 v1(2290,3050) ; D2B.K@2961,3111.26 D2I.K@3156,3111.26 D2C.K@3741,3111.26 K1C.1@3834.74,3111.26
  Bottom Layer w40: K16.1@1830.71,3523.62 K16.1@1830.71,3720.47 ; 2204.72,3714.56 2222.43,3714.56 v1(2232.28,3724.41) ; 2551.55,3705.85 2555.12,3709.42 v1(2555.12,3722.88) ; v1(3510,1790) 3590,1790 v1(3660,1860)
  Bottom Layer w50: 2500,354.33 v1(2500,374.02) v1(2500,433.07) 2500,452.76 2421.26,531.5 C7.1@2421.26,590.55 2500,590.55 2563.31,653.87 2563.31,909.77 v1(2618.11,964.57)
  Bottom Layer w60: K10B.1@2224.41,314.96 2237.2,302.17 2237.2,118.11 ; C27.2@2424.06,255.91 2424.06,278.39 2500,354.33 ; C26.2@2814.96,98.43 v1(2874.02,98.43)
  Bottom Layer w70: C19.2@748.03,553.98 C18.2@905.51,553.98
  Bottom Layer w80: C38.2@3340,1345 3349.5,1335.5 3349.5,1240.5 3349.5,1162 3442.38,1162 3491.78,1211.4 3491.78,1285.59 3490,1287.37 3490,1570 v1(3570,1650)
  Bottom Layer w100: M2.1@157.48,3779.53 157.48,3357.48 206.43,3308.54 206.43,2896.43 v1(200,2890) v1(280,2890) v1(370,2890) v1(460,2890) ; D3.1@374.02,620.08 403.54,620.08 v1(531.5,492.13) v1(590.55,492.13) v1(649.61,492.13) v1(708.66,492.13) v1(767.72,492.13) ; C22.2@784.61,354.33 784.61,371.22 v1(807.09,393.7) v1(866.14,393.7) ; v1@964.57,1048.56 v1(964.57,1122.05) v1(964.57,1200.79) v1(964.57,1279.53) v1(964.57,1358.27) C23.2@964.57,1496.06 ; v1(1590,1560) C15.1@1600,1550
  other v1: 3362.2,40.16 2162.2,240.16 3062.2,240.16 312.2,340.16 462.2,440.16 962.2,440.16 1662.2,440.16 2362.2,440.16 3412.2,540.16 3512.2,540.16 3812.2,540.16 162.2,640.16 562.2,640.16 2662.2,640.16 3580,820 1662.2,840.16 2362.2,840.16 3580,890 512.2,940.16 612.2,940.16 3612.2,940.16 3370,1000 2950,1130 312.2,1140.16 3010,1160 262.2,1240.16 362.2,1240.16 2062.2,1240.16 2162.2,1240.16 2262.2,1240.16 312.2,1340.16 1340,1510 669.29,1535.43 1290,1570 1262.2,1640.16 1462.2,1640.16 1562.2,1640.16 312.2,1740.16 512.2,1740.16 1612.2,1740.16 2962.2,1840.16 3462.2,1840.16 480,1910 1212.2,1940.16 1312.2,1940.16 1412.2,1940.16 1512.2,1940.16 2912.2,1940.16 220,2000 330,2000 420,2000 262.2,2040.16 362.2,2040.16 512.2,2140.16 912.2,2140.16 1612.2,2140.16 1712.2,2140.16 262.2,2240.16 462.2,2240.16 1662.2,2240.16 1762.2,2240.16 2662.2,2240.16 312.2,2340.16 2512.2,2340.16 2612.2,2340.16 2912.2,2340.16 262.2,2440.16 362.2,2440.16 462.2,2440.16 2462.2,2440.16 2562.2,2440.16 2862.2,2440.16 2962.2,2440.16 1170,2490 1712.2,2540.16 1812.2,2540.16 2312.2,2540.16 2412.2,2540.16 2512.2,2540.16 2612.2,2540.16 2812.2,2540.16 2912.2,2540.16 3212.2,2540.16 1962.2,2640.16 2062.2,2640.16 2162.2,2640.16 2262.2,2640.16 2462.2,2640.16 2562.2,2640.16 2862.2,2640.16 612.2,2740.16 1620,2820 562.2,2840.16 1462.2,2840.16 1962.2,2840.16 2062.2,2840.16 2162.2,2840.16 2262.2,2840.16 2362.2,2840.16 2462.2,2840.16 2562.2,2840.16 1500,2870 1670,2870 3050,2910 3480,2920 3660,2920 1190,2940 2512.2,2940.16 2612.2,2940.16 3012.2,2940.16 3112.2,2940.16 3612.2,2940.16 1310,2950 420,3120 2300,3160 2340,3210 562.2,3240.16 3062.2,3240.16 3162.2,3240.16 3262.2,3240.16 3362.2,3240.16 3462.2,3240.16 3562.2,3240.16 3662.2,3240.16 3762.2,3240.16 2280,3260 512.2,3340.16 612.2,3340.16 1112.2,3340.16 3012.2,3340.16 3112.2,3340.16 3212.2,3340.16 3312.2,3340.16 3412.2,3340.16 3512.2,3340.16 3612.2,3340.16 3712.2,3340.16 3812.2,3340.16 462.2,3440.16 562.2,3440.16 1162.2,3440.16 1262.2,3440.16 1462.2,3440.16 1662.2,3440.16 1762.2,3440.16 3062.2,3440.16 3162.2,3440.16 3262.2,3440.16 3362.2,3440.16 3462.2,3440.16 3562.2,3440.16 3662.2,3440.16 3762.2,3440.16 1490,3490 1012.2,3540.16 1312.2,3540.16 1512.2,3540.16 1712.2,3540.16 3412.2,3540.16 3512.2,3540.16 3612.2,3540.16 3712.2,3540.16 3812.2,3540.16 820,3630 1040,3630 1290,3630 1480,3630 862.2,3640.16 1762.2,3640.16 3462.2,3640.16 3562.2,3640.16 412.2,3740.16 1012.2,3740.16 1312.2,3740.16 1712.2,3740.16 3412.2,3740.16 3512.2,3740.16 362.2,3840.16 462.2,3840.16 562.2,3840.16 662.2,3840.16 3462.2,3840.16 3562.2,3840.16
HC595_DINB: U1A.9 U1B.14 | length 872.2
  Bottom Layer w15: U1A.9@1965,2990 2041.5,2913.5 2303.5,2913.5 2495,3105 2600,3105 2615,3120 U1B.14@2615,3225
HC595_DOUTB: U1B.9
HC595_LATCH: U1A.12 U1B.12 U5.42 | length 3250.4
  Top Layer w10: v1(2715,3145) 2715,3093.99 2715,2413.01 3036.51,2091.5 3053.49,2091.5 3055.99,2094 3292.46,2094 3310,2076.46 3310,1963.33 3304.78,1958.11 3304.78,1641.45 3299,1635.67 3299,1622.31 3302.32,1618.99 3299.84,1616.51 U5.42@3299.84,1589.45
  Top Layer w15: v1(2445,3275) 2470,3300 v1(2720,3300)
  Bottom Layer w15: U1A.12@1965,3140 2045,3140 2052.72,3132.28 2052.72,3012.13 2105.35,2959.5 2282.63,2959.5 2445,3121.87 v1(2445,3275) ; v1(2715,3145) U1B.12@2715,3225 2720,3230 v1(2720,3300)
HC595_SCK: U1A.11 U1B.11 U5.43 | length 3383
  Top Layer w10: v1(2750.22,3129.93) 2750.22,3169.78 2746,3174 2703,3174 2687,3158 2687,3070.46 2697,3060.46 2697,2405.55 3029.05,2073.5 3060.95,2073.5 3063.45,2076 3285,2076 3292,2069 3292,1970.78 3286.78,1965.56 3286.78,1648.91 3281,1643.13 3281,1623.22 3280.16,1623.22 U5.43@3280.16,1589.45
  Top Layer w15: v1(2475,3245) 2500.72,3270.72 2740.72,3270.72 v1(2765,3295)
  Bottom Layer w15: U1A.11@1965,3090 2005,3090 2029.72,3065.28 2029.72,3002.6 2095.83,2936.5 2292.16,2936.5 2475,3119.34 v1(2475,3245) ; v1(2750.22,3129.93) 2750.22,3210.22 U1B.11@2765,3225 v1(2765,3295)
IR_LED: R3B.2 U5.39 | length 2259.5
  Top Layer w10: U5.39@3358.9,1589.45 3358.9,1599.2 3361.27,1601.57 3361.27,1636.41 3358.78,1638.89 3358.78,1681.11 3359.99,1682.32 3359.99,1699.7 3358.9,1700.8 3358.9,1748.9 3367,1757 3523.67,1757 3543,1776.33 3543,1897.25 3742.88,2097.13 v1(3742.88,2470)
  Bottom Layer w10: R3B.2@2961,2900 2981,2900 3031,2850 3585.63,2850 3784.78,2650.85 3784.78,2514.21 3742.88,2472.31 v1(3742.88,2470)
IR_OSC: U5.40 U6.2 | length 2609.3
  Top Layer w10: U6.2@1437.4,2060 1485,2060 1553,1992 v1(2069,1992) ; v1(2230,1990) 2344,2104 2940,2104 2944,2100 2944,2050.31 3019.09,1975.22 3100,1975.22 ; v1(3240,1980) 3236.27,1983.73 3229,1991 3115.78,1991 3100,1975.22 ; v1@3240,1987.46 3227.76,1975.22 3100,1975.22 ; U5.40@3339.21,1589.45 3340.78,1591.02 3340.78,1606.54 3341.99,1607.75 3341.99,1630.23 3340.78,1631.44 3340.78,1688.56 3341.99,1689.77 3341.99,1692.25 3340.78,1693.46 3340.78,1930.78 v1(3350,1940)
  Bottom Layer w10: v1(2069,1992) 2071,1990 v1(2230,1990) ; v1(3240,1980) 3290,1980 3300,1970 3310,1980 v1(3350,1940)
IRBUFFERED_15: U6.4 U7A.2 U7A.5 U7A.10 U7A.13 U7B.2 U7B.5 U7B.10 U7B.13 | length 2624.4
  Top Layer w15: U6.4@1362.6,2085.59 1385,2107.99 v1(1385,2665.59) 1385,3070 v1(1420,3105)
  Bottom Layer w15: U7B.2@1213.11,2588.82 1288.82,2588.82 1310,2610 1310,2665.59 ; U7B.5@1213.11,2665.59 1310,2665.59 ; v1(1420,3105) 1423.82,3108.82 1427.25,3108.82 1428.35,3107.72 1502.01,3107.72 U7A.2@1503.11,3108.82 1563.82,3108.82 1580,3125 1580,3175 ; U7B.13@1476.89,2588.82 1558.82,2588.82 1575,2605 1575,2645 1554.41,2665.59 U7B.10@1476.89,2665.59 v1(1385,2665.59) 1310,2665.59 ; U7A.5@1503.11,3185.59 1569.41,3185.59 1580,3175 ; U7A.13@1766.89,3108.82 1828.82,3108.82 1835,3115 1835,3175 ; U7A.10@1766.89,3185.59 1824.41,3185.59 1835,3175 ; 1580,3175 1580,3220 1630,3270 1810,3270 1835,3245 1835,3175
IRLIN0: U1A.15 U7A.4 | length 634.4
  Top Layer w15: v1(1450,3160.46) 1539.54,3250 1805,3250 v1(1860,3305)
  Bottom Layer w15: v1(1450,3160.46) 1502.65,3160.46 U7A.4@1503.11,3160 ; v1(1860,3305) 1875,3290 U1A.15@1965,3290
IRLIN1: U1A.1 U7A.1 | length 999.2
  Top Layer w15: v1(1440,3070) 1519,3070 1662.28,3213.28 1852.72,3213.28 1950,3310.56 v1(1950,3380)
  Bottom Layer w15: v1(1440,3070) 1453.23,3083.23 U7A.1@1503.11,3083.23 ; v1(1950,3380) 2145,3380 U1A.1@2185,3340
IRLIN2: U1A.2 U7A.9 | length 632.3
  Top Layer w15: v1(1694,3184) 1934,3184 v1(2040,3290)
  Bottom Layer w15: v1(1694,3184) 1694,3200.36 1703,3209.36 1701.18,3211.18 U7A.9@1766.89,3211.18 ; v1(2040,3290) U1A.2@2185,3290
IRLIN3: U1A.3 U7A.12 | length 633.4
  Top Layer w15: v1(1685,3125) 1935,3125 v1(2040,3230)
  Bottom Layer w15: v1(1685,3125) 1717.93,3125 1727.34,3134.41 U7A.12@1766.89,3134.41 ; v1(2040,3230) 2175,3230 U1A.3@2185,3240
IRLIN4: U1A.4 U7B.1 | length 1574.3
  Top Layer w15: v1(1135,2840) 1142.28,2832.72 1142.28,2698.56 1120.72,2677 1120.72,2584.28 v1(1150,2555) ; v1(1665,3090) 2020,3090 v1(2120,3190)
  Bottom Layer w15: v1(1135,2840) 1135,2846.41 1176.59,2888 1370.53,2888 1477.25,2994.72 1555.79,2994.72 1651.07,3090 v1(1665,3090) ; v1(1150,2555) 1158.23,2563.23 U7B.1@1213.11,2563.23 ; v1(2120,3190) U1A.4@2185,3190
IRLIN5: U1A.5 U7B.4 | length 1404.8
  Top Layer w15: v1(1150,2650) 1175,2675 v1(1175,2845) ; v1(1675,3050) 2035,3050 v1(2125,3140)
  Bottom Layer w15: v1(1150,2650) 1160,2640 U7B.4@1213.11,2640 ; v1(1175,2845) 1195,2865 1380.05,2865 1485.05,2970 1563.59,2970 1643.59,3050 v1(1675,3050) ; v1(2125,3140) U1A.5@2185,3140
IRLIN6: U1A.6 U7B.9 | length 977.3
  Top Layer w15: v1(1680,3005) 2035,3005 v1(2120,3090)
  Bottom Layer w15: U7B.9@1476.89,2691.18 1536.18,2691.18 1569.28,2724.28 1569.28,2762.13 1565,2766.41 1565,2890 1590.72,2915.72 1592.13,2915.72 1680,3003.59 v1(1680,3005) ; v1(2120,3090) U1A.6@2185,3090
IRLIN7: U1A.7 U7B.12 | length 1262.6
  Top Layer w15: v1(1540,2750) 1540,2630 v1(1545,2625) ; v1(1580,2945) 2007.53,2945 2102.53,3040 v1(2120,3040)
  Bottom Layer w15: v1(1540,2750) 1480,2750 1415,2815 1415,2867.42 1492.58,2945 v1(1580,2945) ; v1(1545,2625) 1534.41,2614.41 U7B.12@1486.77,2614.41 ; v1(2120,3040) U1A.7@2185,3040 ; U7B.12@1486.77,2614.41 U7B.12@1476.89,2614.41 1479.48,2611.82 1489.36,2611.82 U7B.12@1486.77,2614.41
IROUTA: K14.5 R16A.1 | length 543.2
  Bottom Layer w40: R16A.1@1217.5,3282.5 1223,3288 1278,3288 1393.7,3403.7 K14.5@1393.7,3523.62 K14.5@1393.7,3720.47
IROUTB: K14.3 R16B.1 | length 521.2
  Bottom Layer w40: K14.3@952.76,3720.47 K14.3@952.76,3523.62 910,3480.87 910,3320 947.5,3282.5 R16B.1@997.5,3282.5
IROUTC: K14.1 R16C.1 | length 619.6
  Top Layer w40: K14.1@511.81,3523.62 K14.1@511.81,3720.47
  Bottom Layer w40: K14.1@511.81,3523.62 596.38,3523.62 725.2,3394.8 724.5,3394.1 724.5,3330.9 740.9,3314.5 777.5,3314.5 R16C.1@777.5,3282.5
IROUTD: K15.9 R16D.1 | length 733.4
  Top Layer w15: K15.9@303.15,3372.44 346.56,3372.44 659,3060 v1(780,3060)
  Bottom Layer w15: v1(780,3060) 840,3060 R16D.1@887.5,3012.5